# Altium PCB StartV3.PcbDoc
Units mil, origin at the board's own origin, x right, y up, seen from the top; angles counter-clockwise.
Board outline 3420 x 2265 mil, 2 copper layers (Top Layer, Bottom Layer); 42 components, 48 nets, 227 pads, 0 vias.
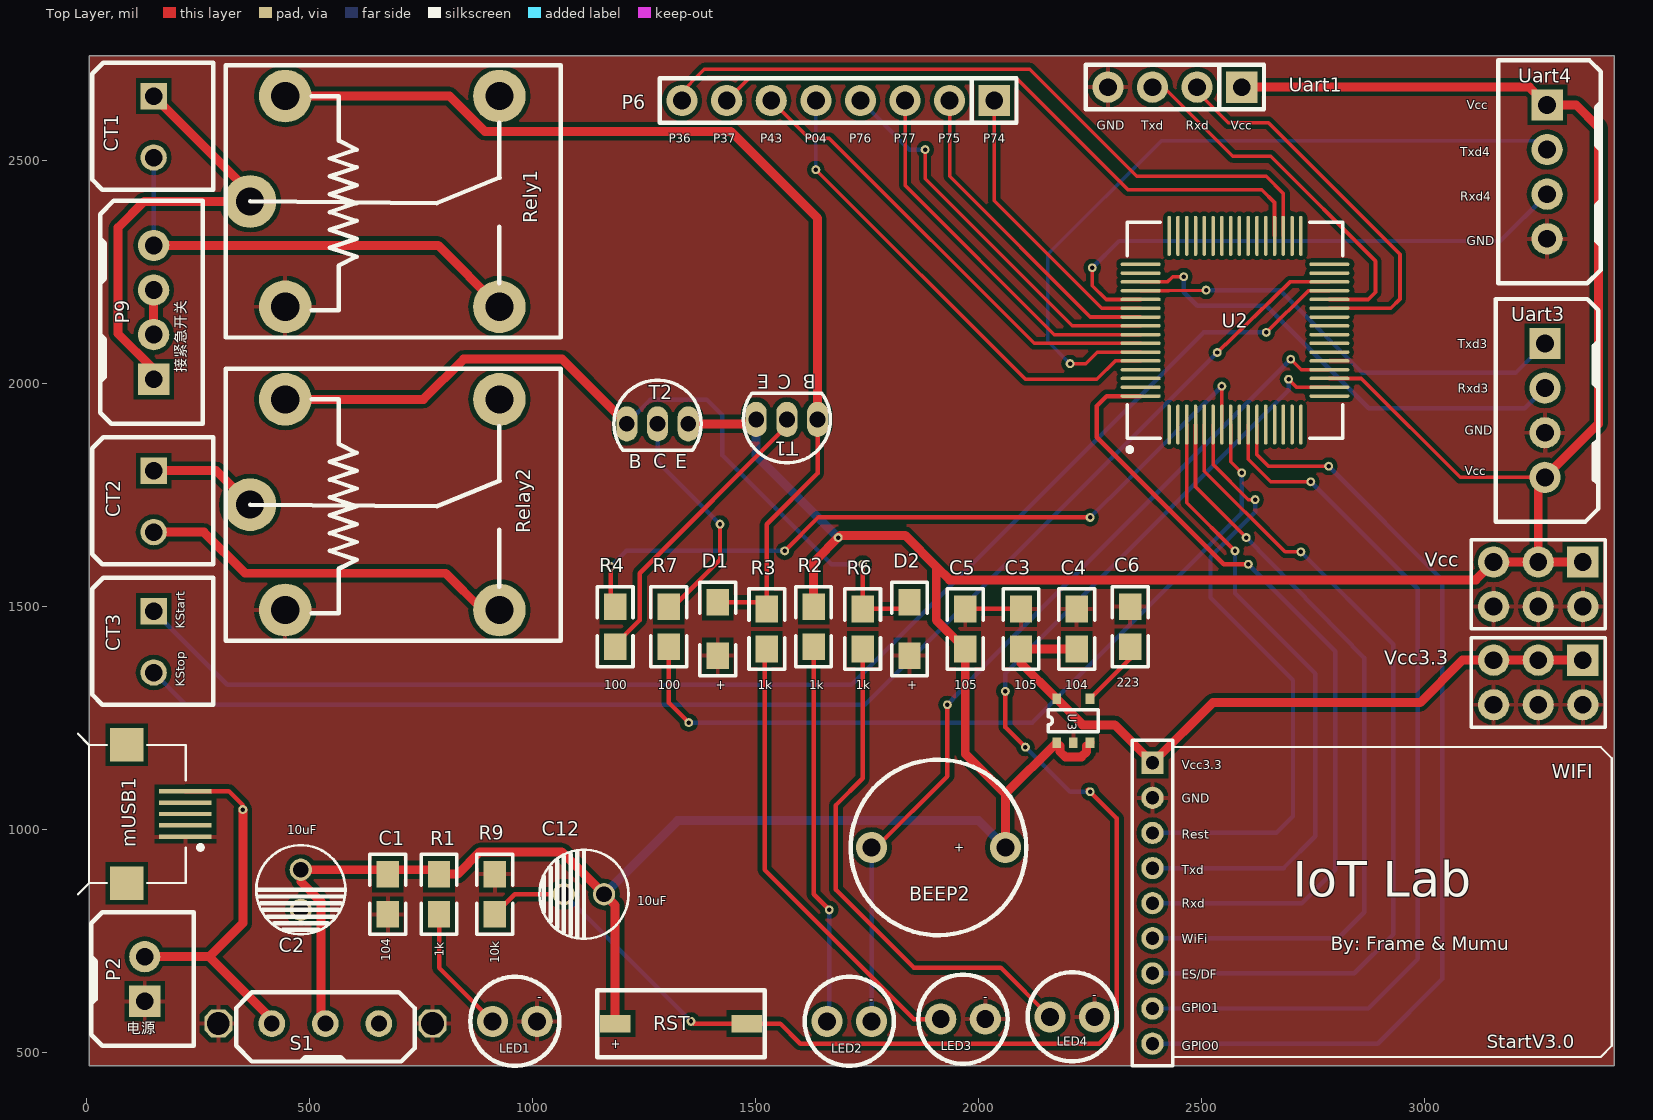
[diagram p0: Top Layer view]
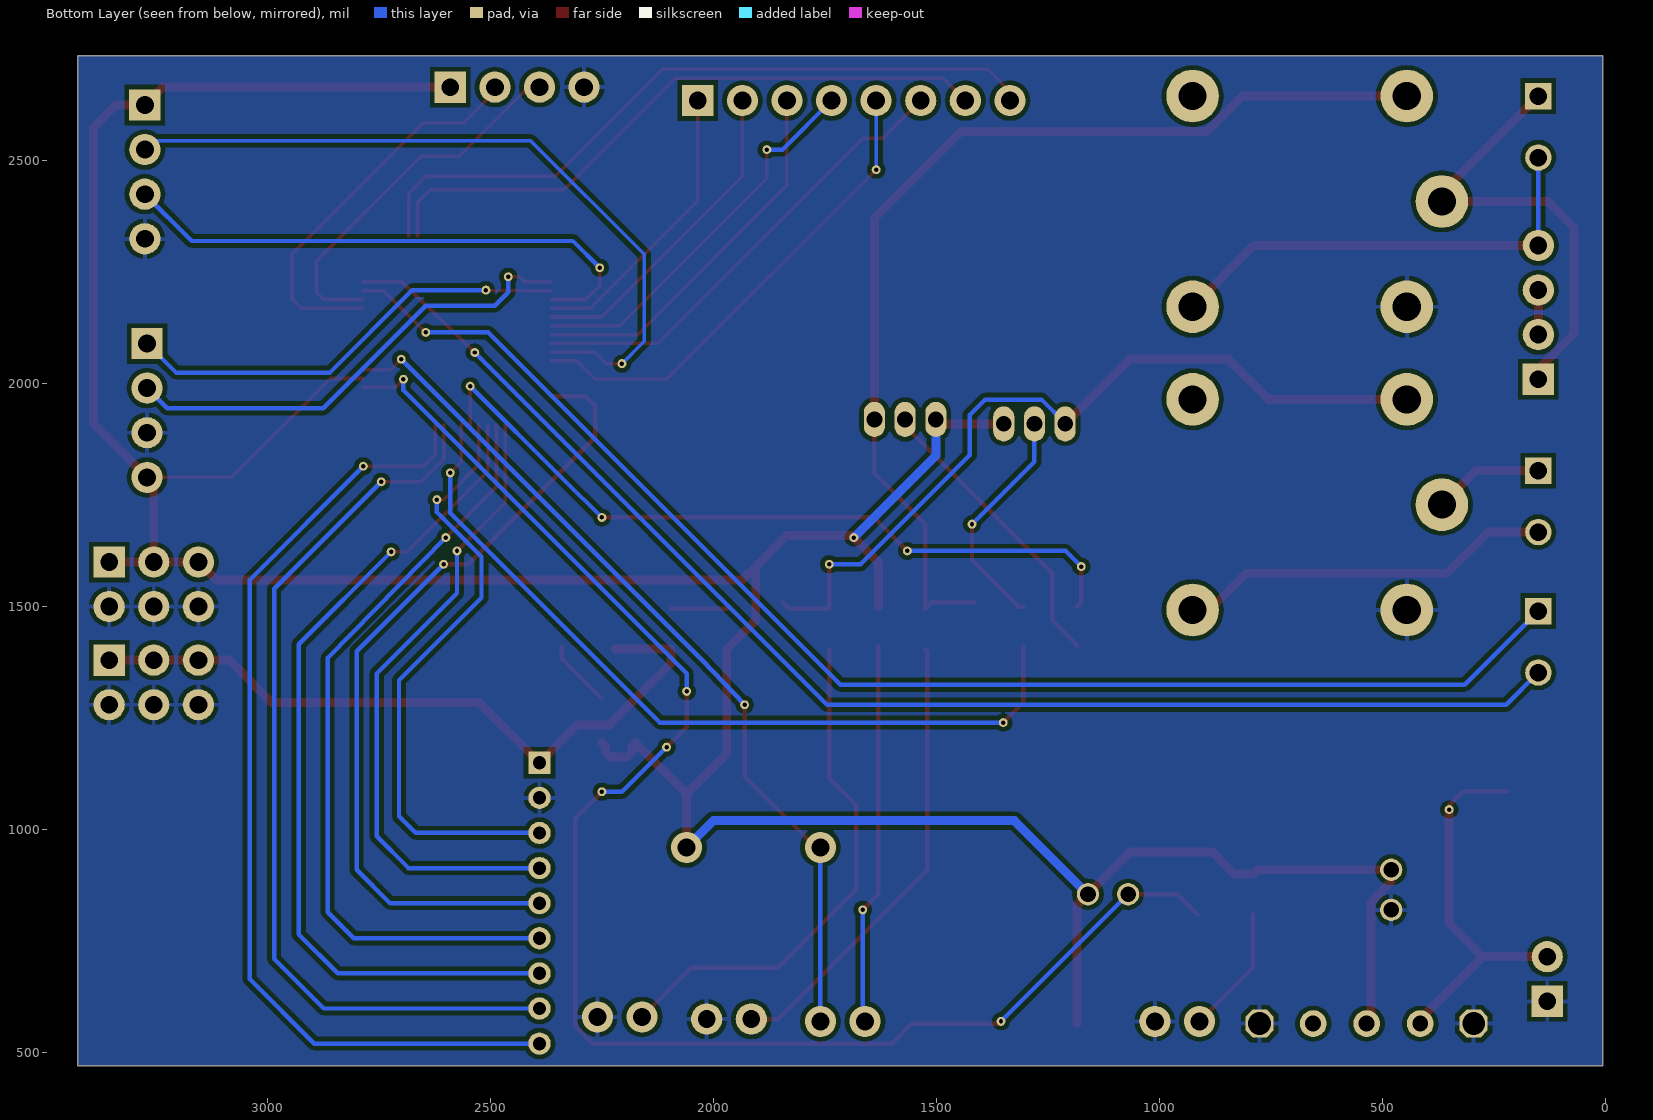
[diagram p1: Bottom Layer view, seen from below]

## Layer stack, top to bottom
Top Layer: signal copper 1.4
Dielectric: dielectric 12.6, FR-4, Dk 4.8
Bottom Layer: signal copper 1.4

## Board outline
5,470 3425,470 3425,2735 5,2735

## Design rules (kind name [scope] priority, off if disabled: settings)
Clearance [All] p1: gap=10
PolygonConnect [All] p1: connectstyle=Relief reliefconductorwidth=10 reliefentries=4 polygonreliefangle="90 Angle" airgapwidth=10
RoutingVias [All] p1: holewidth=28 width=50 viastyle="Through Hole" minholewidth=28 minwidth=50 maxholewidth=28 maxwidth=50
SolderMaskExpansion [All] p1: expansion=4
Width [All] p1: maxlimit=30 minlimit=6 preferedwidth=10
28 further rules are at their usual default settings.

## Components (designator, comment, footprint, x,y, rotation, side; value= is the part's Value field where it differs from the comment)
BEEP2 "BEEP" BEEP 2060,960 r180 top
C1 "104" CAP 675,810 r90 top
C2 "10uF" capc 480,910 r0 top
C3 "105" CAP 2095,1405 r90 top
C4 "104" CAP 2220,1405 r90 top
C5 "105" CAP 1970,1405 r90 top
C6 "223" CAP 2340,1410 r90 top
C12 "10uF" capc 1160,855 r270 top
CT1 "ConTerminal" ConTerminal 150,2645 r270 top
CT2 "ConTerminal" ConTerminal 150,1805 r270 top
CT3 "ConTerminal" ConTerminal 150,1490 r270 top
D1 "D4148" D4148_1206 1415,1390 r90 top
D2 "D4148" D4148_1206 1845,1390 r90 top
LED1 "LED_3mm" LED_3mm 910,570 r0 top
LED2 "LED_3mm" LED_3mm 1660,570 r0 top
LED3 "LED_3mm" LED_3mm 1915,575 r0 top
LED4 "LED_3mm" LED_3mm 2160,580 r0 top
mUSB1 "mUSB" mUSB 5,1035 r180 top
P2 "2P_Socket" 2P_Socket 130,715 r90 top
P6 "pin8" pin8 2035,2635 r180 top
P9 "继电器_复位端子" 4P_Socket 150,2310 r90 top
R1 "1k" res 790,900 r270 top
R2 "1k" res 1630,1500 r270 top
R3 "1k" res 1525,1405 r90 top
R4 "100" res 1185,1410 r90 top
R6 "1k" res 1740,1405 r90 top
R7 "100" res 1305,1500 r270 top
R9 "10k" res 915,900 r270 top
Relay2 "继电器-Stop" 继电器-SRD 445,1965 r0 top
Rely1 "继电器-Start" 继电器-SRD 445,2645 r0 top
RST "SW_PB" SW_PB 1145,640 r0 top
S1 "Horizontal_Switch" Horizontal_Switch 415,565 r0 top
T1 "8550" PNP 1570,1920 r90 top
T2 "8550" PNP 1280,1910 r270 top
U2 "STC8A8K64S4A12_LQFP64" STC8A8K64S4A12_LQFP64S 2575,2120 r90 top
U3 "RT9193-33" RT9193-33 2175,1195 r90 top
Uart1 "pin4" pin4 2440,2665 r180 top (schematic designator P1)
Uart3 "串口3" 4P_Socket 3270,1790 r270 top (schematic designator P3)
Uart4 "串口4" 4P_Socket 3275,2325 r270 top (schematic designator P4)
Vcc "Vcc5" pin6 3355,1600 r180 top (schematic designator P8)
Vcc3.3 "Vcc3.3" pin6 3355,1380 r180 top (schematic designator P7)
WIFI "WiFi排座" WiFi 2435,840 r270 top (schematic designator P5)

## Footprints (in the part's own frame and the unit in brackets; to place one, negate y for a bottom-side part, rotate by r counter-clockwise, add the part's x,y. Pads: shape width x height; smd on the part's side, far side on the other; paste and mask are expansions set on the pad)
2P_Socket [mil]
  rect 70x70 hole 40: 1(-100,0)
  round 70 hole 40: 2(0,0)
  silkscreen extent -200,-110 100,120
4P_Socket [mil]
  rect 70x70 hole 40: 1(-300,0)
  round 70 hole 40: 2(-200,0) 3(-100,0) 4(0,0)
  silkscreen extent -400,-110 100,120
BEEP [mil]
  round 70 hole 40: 1(0,0) 2(300,0)
  silkscreen extent -47,-197 347,197
CAP [mil]
  rect 60x50 smd: 1(0,0) 2(90,0)
  silkscreen extent -45,-40 135,40
capc [mil]
  round 50 hole 35: 1(0,0) 2(0,-90)
  silkscreen extent -100,-145 100,55
ConTerminal [mm]
  rect 1.5x1.5 hole 1: 1(0,0)
  round 1.5 hole 1: 2(3.5,0)
  silkscreen extent -1.91,-3.5 5.33,3.4
D4148_1206 [mil]
  rect 60x50 smd: 1(0,0) 2(120,0)
  silkscreen extent -45,-40 165,40
Horizontal_Switch [mil]
  round 60 hole 35.43: 1(0,0) 2(120,0) 3(240,0)
  oct 62.99x62.99 hole 51.18: 4(-120,0) 5(360,0)
  silkscreen extent -80,-85 320,70
LED_3mm [mil]
  round 70 hole 40: 1(0,0) 2(100,0)
  silkscreen extent -50,-100 150,100
mUSB [mm]
  rect 3x0.25 smd: D+(-5.486,0) D-(-5.486,-0.65) GND(-5.486,1.3) ID(-5.486,0.65) VCC(-5.486,-1.3)
  rect 1.9x1.9 smd: ""(-2.15,3.95) ""(-2.15,-3.95)
  silkscreen extent -6.47,-4.57 0.63,4.57
pin4 [mil]
  rect 70x70 hole 40: 1(-150,0)
  round 70 hole 40: 2(-50,0) 3(50,0) 4(150,0)
  silkscreen extent -200,-50 200,50
pin6 [mil]
  rect 70x70 hole 40: 1(0,0)
  round 70 hole 40: 2(0,100) 3(100,0) 4(100,100) 5(200,0) 6(200,100)
  silkscreen extent -50,-50 250,150
pin8 [mil]
  rect 70x70 hole 40: 1(0,0)
  round 70 hole 40: 2(100,0) 3(200,0) 4(300,0) 5(400,0) 6(500,0) 7(600,0) 8(700,0)
  silkscreen extent -50,-50 750,50
PNP [mm]
  oval 2x1.2 hole 0.9: 1(0,1.75) 2(0,0) 3(0,-1.75)
  silkscreen extent -2.48,-2.48 1.5,2.48, body extent -2.5,-2.5 1.5,2.5, height 7
res [mil]
  rect 60x50 smd: 1(0,0) 2(90,0)
  silkscreen extent -45,-40 135,40
RT9193-33 [mm]
  rect 0.6x0.5 smd: 1(0,0) 2(0,-0.95) 3(0,-1.9) 4(2.5,-1.9) 5(2.5,0)
  silkscreen extent 0.63,-2.38 1.87,0.48
STC8A8K64S4A12_LQFP64S [mm] "STC8A8K64S4A12_LQFP64S"
  oval 2.286x0.2 smd: 1(-5.375,3.75) 2(-5.375,3.25) 3(-5.375,2.75) 4(-5.375,2.25) 5(-5.375,1.75) 6(-5.375,1.25) 7(-5.375,0.75) 8(-5.375,0.25) 9(-5.375,-0.25) 10(-5.375,-0.75) 11(-5.375,-1.25) 12(-5.375,-1.75) 13(-5.375,-2.25) 14(-5.375,-2.75) 15(-5.375,-3.25) 16(-5.375,-3.75) 33(5.375,-3.75) 34(5.375,-3.25) 35(5.375,-2.75) 36(5.375,-2.25) 37(5.375,-1.75) 38(5.375,-1.25) 39(5.375,-0.75) 40(5.375,-0.25) 41(5.375,0.25) 42(5.375,0.75) 43(5.375,1.25) 44(5.375,1.75) 45(5.375,2.25) 46(5.375,2.75) 47(5.375,3.25) 48(5.375,3.75)
  oval 0.2x2.286 smd: 17(-3.75,-5.375) 18(-3.25,-5.375) 19(-2.75,-5.375) 20(-2.25,-5.375) 21(-1.75,-5.375) 22(-1.25,-5.375) 23(-0.75,-5.375) 24(-0.25,-5.375) 25(0.25,-5.375) 26(0.75,-5.375) 27(1.25,-5.375) 28(1.75,-5.375) 29(2.25,-5.375) 30(2.75,-5.375) 31(3.25,-5.375) 32(3.75,-5.375) 49(3.75,5.375) 50(3.25,5.375) 51(2.75,5.375) 52(2.25,5.375) 53(1.75,5.375) 54(1.25,5.375) 55(0.75,5.375) 56(0.25,5.375) 57(-0.25,5.375) 58(-0.75,5.375) 59(-1.25,5.375) 60(-1.75,5.375) 61(-2.25,5.375) 62(-2.75,5.375) 63(-3.25,5.375) 64(-3.75,5.375)
  silkscreen extent -6.92,-6.15 6.15,6.15, body extent -6,-6 6,6, height 1.6
SW_PB [mm]
  rect 1.75x1 smd: 1(1.016,-1.905) 2(8.509,-1.905)
  silkscreen extent 0,-3.81 9.53,0
WiFi [mil]
  rect 50x50 hole 30: 1(-310,-45)
  round 50 hole 30: 2(-231.26,-45) 3(-152.52,-45) 4(-73.78,-45) 5(4.96,-45) 6(83.7,-45) 7(162.44,-45) 8(241.18,-45) 9(319.92,-45)
  silkscreen extent -360,-90 370,985
继电器-SRD [mm]
  round 3 hole 1.6: 1(0,0) 2(0,-12) 3(-2,-6) 4(12.2,0) 5(12.2,-12)
  silkscreen extent -3.4,-13.75 15.7,1.75

## Part data
C1 C3 C4 C5 C6: library part CAP
C2 C12: library part CAPC
D1 D2: library part D4148_1206
P9 Uart3 Uart4: library part 4P_Socket
R1 R2 R3 R4 R6 R7 R9: library part RES
Relay2 Rely1: library part 继电器-SRD
T1 T2: library part PNP
Vcc Vcc3.3: library part pin6
WIFI: library part WiFi

## Free pads (board coordinates)
  round 20 hole 10: 0(350,1045) 1(2785,1815) 2(2745,1780) 3(2620,1740) 5(2600,1655) 6(2575,1625) 7(2722.79,1622.79) 9(2605,1595) 11(2510,2209.92) 12(2460,2240) 13(1880,2525) 14(1635,2480) 15(2255,2260) 16(2205,2045) 17(2535,2070) 18(2645,2115) 19(2590,1800) 20(2545.47,1994.53) 21(1350,1240) 22(2250,1700) 23(1565,1625) 24(1175,1590) 26(2700,2055) 27(2695,2010) 28(1930,1280) 29(2060,1310) 30(2250,1085) 31(2105,1185) 32(1685,1655) 33(1740,1595) 34(1420,1685) 36(1665,820) 37(1355,570)

## Nets (pads, with @x,y where several pads share a name; then routed paths per layer and width w, separated by ;. In a path a pad name is that pad's centre, name@x,y a point inside that pad or via, vN(x,y) a via of type N, cw(c..) or ccw(c..) an arc to the next point about the centre after c; other vN are vias at no path point)
ES/DF: pad.7 U2.5 WIFI.7 | length 1916
  Top Layer w8: U2.5 2506.1,1803.9 2687.21,1622.79 pad.7
  Bottom Layer w10: WIFI.7 2842.56,677.56 2930,765 2930,1415.58 pad.7
GND: C1.1 C2.2 C3.2 C4.2 C5.2 C6.2 D1.1 D2.1 LED1.2 LED3.2 LED4.2 mUSB1.GND P2.1 R9.1 Relay2.2 Rely1.2 S1.4 S1.5 U2.21 U3.2 Uart1.4 Uart3.3 Uart4.4 Vcc3.3.2 Vcc3.3.4 Vcc3.3.6 Vcc.2 Vcc.4 Vcc.6 WIFI.2 | length 125
  Top Layer w10: C5.2 C3.2
GPIO0: pad.1 U2.11 WIFI.9 | length 2204.7
  Top Layer w8: U2.11 2624.21,1840.79 2650,1815 pad.1
  Bottom Layer w10: WIFI.9 2895.08,520.08 3040,665 3040,1560 pad.1
GPIO1: pad.2 U2.10 WIFI.8 | length 2049.8
  Top Layer w8: U2.10 2604.53,1830.47 2655,1780 pad.2
  Bottom Layer w10: WIFI.8 2873.82,598.82 2985,710 2985,1540 pad.2
HRST: C12.2 pad.27 pad.29 pad.30 pad.31 pad.37 R9.2 RST.2 U2.18 | length 3518.4
  Top Layer w8: pad.27 2712.95,1992.05 U2.18
  Top Layer w10: R9.2 960,855 C12.2 ; pad.37 1360,565 RST.2 1555,565 1600,520 2270.71,520 2310,559.29 2310,1025 pad.30 pad.30@2245,1090 ; pad.29 2060,1230 pad.31
  Bottom Layer w10: C12.2 pad.37 ; pad.29 2060,1350 2695,1985 pad.27 ; pad.31 2205,1085 pad.30
KEY_START: CT3.1 pad.18 U2.29 | length 3070.6
  Top Layer w8: pad.18 2739.87,2208.58 U2.29
  Bottom Layer w10: CT3.1 315,1325 1715,1325 2505,2115 pad.18
KEY_STOP: CT3.2 pad.17 U2.30 | length 3057.9
  Top Layer w8: pad.17 2698.27,2228.27 U2.30
  Bottom Layer w10: CT3.2 222.2,1280 1745,1280 pad.17
NetC6_1: C6.1 U3.4 | length 153.9
  Top Layer w10: U3.4 2340,1383.62 C6.1
NetCT1_1: CT1.1 P9.1 Rely1.3 | length 1019.5
  Top Layer w20: P9.1 150,2032.22 70,2112.22 70,2350 128.78,2408.78 Rely1.3 366.26,2428.74 CT1.1
NetCT1_2: CT1.2 P9.4 Rely1.5 | length 1029.4
  Top Layer w20: P9.4 787.87,2310 Rely1.5
  Bottom Layer w10: P9.4 CT1.2
NetCT2_1: CT2.1 Relay2.3 | length 247.8
  Top Layer w20: CT2.1 290.04,1805 Relay2.3
NetCT2_2: CT2.2 Relay2.5 | length 847.7
  Top Layer w20: CT2.2 262.8,1667.2 355,1575 805,1575 887.44,1492.56 Relay2.5
NetD1_2: D1.2 R3.2 Rely1.1 T1.3 | length 2346.8
  Top Layer w10: D1.2 1510,1510 R3.2 1525,1685 1638.9,1798.9 T1.3
  Top Layer w20: Rely1.1 813.51,2645 892.57,2565.94 1444.06,2565.94 1638.9,2371.1 T1.3
NetD2_2: D2.2 pad.33 R6.2 Relay2.1 T2.3 | length 1832.7
  Top Layer w10: pad.33 R6.2 1830,1495 D2.2
  Top Layer w20: Relay2.1 755,1965 845,2055 1066.1,2055 T2.3
  Bottom Layer w10: T2.3 1211.1,1911.47 1264,1964.37 1390.63,1964.37 1425,1930 1425,1840 1670,1595 pad.33
NetLED1_1: LED1.1 R1.2 | length 289.7
  Top Layer w10: R1.2 790,690 LED1.1
NetLED2_1: LED2.1 pad.36 R2.2 | length 856.6
  Top Layer w10: R2.2 1630,855 pad.36
  Bottom Layer w10: LED2.1 1665,575 pad.36
NetLED3_1: LED3.1 R3.1 | length 1030.8
  Top Layer w10: R3.1 1520,1400 1520,910 1855,575 LED3.1
NetLED4_1: LED4.1 R6.1 | length 1162.9
  Top Layer w10: R6.1 1740,1115 1680,1055 1680,865 1855,690 2050,690 LED4.1
NetmUSB1_VCC: mUSB1.VCC P2.2 pad.0 S1.1 | length 866
  Top Layer w10: mUSB1.VCC 318.82,1086.18 350,1055 pad.0
  Top Layer w20: P2.2 275,715 ; pad.0 350,790 275,715 ; S1.1 415,575 275,715
NetP9_2: P9.2 P9.3 | length 100
  Top Layer w20: P9.2 P9.3
NetR4_1: R4.1 T1.2 | length 669.5
  Top Layer w10: R4.1 1185,1415 1240,1470 1240,1575 1570,1905 T1.2
NetR7_1: pad.34 R7.1 T2.2 | length 521.5
  Top Layer w10: R7.1 1315,1500 1420,1605 pad.34
  Bottom Layer w10: T2.2 1280,1825 pad.34
P04: P6.5 pad.14 U2.60 | length 1095.1
  Top Layer w8: pad.14 2105,2010 2265,2010 2306.1,2051.1 U2.60
  Bottom Layer w8: pad.14 P6.5
P36: P6.8 U2.35 | length 1593.5
  Top Layer w8: P6.8@1325,2645 1385,2705 2115,2705 2355,2465 2645,2465 2683.27,2426.73 U2.35
P37: P6.7 U2.36 | length 1470.2
  Top Layer w8: P6.7@1465.7,2635 P6.7 1485,2685 2085,2685 2335,2435 2635,2435 2663.58,2406.42 U2.36
P43: P6.6 U2.58 | length 1053.9
  Top Layer w8: P6.6 1620,2550 1665,2550 2124.53,2090.47 U2.58
P74: P6.1 U2.54 | length 653.1
  Top Layer w8: P6.1 2035,2410 2275.79,2169.21 U2.54
P75: P6.2 U2.55 | length 729.1
  Top Layer w8: P6.2 1935,2465 2250.47,2149.53 U2.55
P76: P6.4 pad.13 U2.56 | length 875.7
  Top Layer w8: pad.13 1880,2460 2210.16,2129.84 U2.56
  Bottom Layer w10: P6.4 1845,2525 pad.13
P77: P6.3 U2.57 | length 857.1
  Top Layer w8: P6.3 1835,2445 2169.84,2110.16 U2.57
RESET: pad.3 U2.6 WIFI.3 | length 1374.8
  Top Layer w8: U2.6 2525.79,1819.21 2605,1740 pad.3
  Bottom Layer w10: WIFI.3 2667.52,992.52 2705,1030 2705,1335 2520,1520 2520,1611.72 2620,1711.72 pad.3
RXD: U2.27 Uart1.2 | length 883.2
  Top Layer w8: Uart1.2 2490,2655 2560,2585 2650,2585 2945,2290 2945,2190 2924.21,2169.21 U2.27
RXD2: pad.9 U2.64 WIFI.5 | length 1842.5
  Top Layer w10: U2.64 2287.36,1972.36 2265,1950 2265,1880 2550,1595 pad.9
  Bottom Layer w10: WIFI.5 2725.04,835.04 2800,910 2800,1400 pad.9
RXD3: pad.12 U2.51 Uart3.2 | length 1072.8
  Top Layer w8: U2.51 2423.27,2228.27 2435,2240 pad.12
  Bottom Layer w10: pad.12 2460,2205 2490,2175 2645,2175 2875,1945 3225,1945 Uart3.2
RXD4: pad.15 U2.53 Uart4.3 | length 1249.6
  Top Layer w8: pad.15 2255,2220 2286.1,2188.9 U2.53
  Bottom Layer w10: pad.15 2315,2320 3170,2320 Uart4.3
SCK: U2.12
SET1: U2.63
SET2: U2.50
START: pad.20 pad.22 pad.23 pad.24 R4.2 U2.7 | length 1718
  Top Layer w8: U2.7 pad.20
  Top Layer w10: pad.24 1175,1510 R4.2 ; pad.23 1640,1700 pad.22
  Bottom Layer w10: pad.24 1210,1625 pad.23 ; pad.22 2335,1784.06 pad.20
STATUS: BEEP2.2 LED2.2 pad.26 pad.28 U2.20 | length 1975.2
  Top Layer w8: pad.26 2723.58,2031.42 U2.20
  Top Layer w10: BEEP2.2 1770,960 1930,1120 pad.28
  Bottom Layer w10: LED2.2 BEEP2.2 ; pad.28 2025,1380 pad.26
STOP: pad.19 pad.21 R7.2 U2.8 | length 1832
  Top Layer w8: U2.8 2565.16,1824.84 pad.19
  Top Layer w10: R7.2 1305,1285 pad.21
  Bottom Layer w10: pad.21 2120,1240 2590,1710 pad.19
TXD: U2.28 Uart1.3 | length 841.6
  Top Layer w8: Uart1.3 2415,2665 2570,2510 2655,2510 2890,2275 2890,2205 2873.9,2188.9 U2.28
TXD2: pad.6 U2.3 WIFI.4 | length 1437.3
  Top Layer w8: U2.3 2466.73,1733.27 pad.6
  Bottom Layer w10: WIFI.4 2683.78,913.78 2755,985 2755,1350 2575,1530 pad.6
TXD3: pad.11 U2.52 Uart3.1 | length 1010.2
  Top Layer w8: U2.52 2426.42,2208.58 pad.11
  Bottom Layer w10: pad.11 2675,2210 2860,2025 3205,2025 Uart3.1
TXD4: pad.16 U2.59 Uart4.2 | length 1668.7
  Top Layer w8: pad.16 2240,2045 2265.79,2070.79 U2.59
  Bottom Layer w8: pad.16 2155,2095 2155,2290 2410,2545 3255,2545 Uart4.2
VCC: BEEP2.1 C1.2 C2.1 C5.1 C12.1 pad.32 R1.1 R2.1 RST.1 S1.2 T1.1 T2.1 U2.19 U3.1 U3.3 Uart1.1 Uart3.4 Uart4.1 Vcc.1 Vcc.3 Vcc.5 | length 8227
  Top Layer w8: U2.19 2858.27,2011.73 3080,1790 Uart3.4
  Top Layer w20: S1.2 525,575 525,838.64 480,883.64 C2.1 780,910 R1.1 831.72,900 881.72,950 1065,950 C12.1 1185,830 RST.1 ; T2.1 1491.1,1910 T1.1 ; R2.1 1630,1600 1690,1660 1835,1660 1905,1590 ; BEEP2.1 2060,1080 ; U3.3 2242.24,1187.44 2242.24,1174.9 2230.53,1163.19 2194.28,1163.19 2182.56,1174.9 2182.56,1187.44 U3.1 2060,1080 ; Uart1.1 3235,2665 Uart4.1 3340,2625 3390,2575 3390,1910 Uart3.4 3255,1775 Vcc.3 ; Vcc.1 Vcc.3 ; 1905,1590 1935,1560 3115,1560 Vcc.5 Vcc.3 ; 1905,1590 1905,1470 C5.1 1970,1170 2060,1080
  Bottom Layer w20: C12.1 1325,1020 2000,1020 BEEP2.1 ; T1.1 1501.1,1838.9 pad.32
VCC33: C3.1 C4.1 U3.5 Vcc3.3.1 Vcc3.3.3 Vcc3.3.5 WIFI.1 | length 1604.4
  Top Layer w20: C4.1 C3.1 2095,1373.43 U3.5 2233.43,1235 2305,1235 WIFI.1 2525,1285 2990,1285 3085,1380 Vcc3.3.5 Vcc3.3.3 Vcc3.3.1
WIFI: pad.5 U2.4 WIFI.6 | length 1748.1
  Top Layer w8: U2.4 2486.42,1768.58 pad.5
  Bottom Layer w10: WIFI.6 2806.3,756.3 2865,815 2865,1385 pad.5
pads on no net: mUSB1. mUSB1.D+ mUSB1.D- mUSB1.ID Relay2.4 Rely1.4 S1.3 U2.1 U2.2 U2.9 U2.13 U2.14 U2.15 U2.16 U2.17 U2.22 U2.23 U2.24 U2.25 U2.26 U2.31 U2.32 U2.33 U2.34 U2.37 U2.38 U2.39 U2.40 U2.41 U2.42 U2.43 U2.44 U2.45 U2.46 U2.47 U2.48 U2.49 U2.61 U2.62

## Polygon pours and split planes (outlines as drawn)
GND on Top Layer "Top Layer-No Net" (solid, pour order 7): 5,2735 5,470 3425,470 3425,2730 3420,2735
GND on Bottom Layer "Top Layer-No Net" (solid, pour order 11): 5,2735 5,470 3425,470 3425,2735

## Silkscreen, mask and mechanical layers (free items; w line width, h text height)
Top Overlay:
  text "Vcc" at 3095,2615.01 h20
  text "GND" at 2265,2570.01 h20
  text "Txd" at 2365,2570.01 h20
  text "Rxd" at 2465,2570.01 h20
  text "Vcc" at 2565,2570.01 h20
  text "P36" at 1305,2540.01 h20
  text "P37" at 1405,2540.01 h20
  text "P43" at 1510,2540.01 h20
  text "P04" at 1610,2540.01 h20
  text "P76" at 1710,2540.01 h20
  text "P77" at 1810,2540.01 h20
  text "P75" at 1910,2540 h20
  text "P74" at 2010,2540 h20
  text "Txd4" at 3080,2510 h20
  text "Rxd4" at 3080,2410 h20
  text "GND" at 3095,2310.01 h20
  text "Txd3" at 3075,2080 h20
  text "接紧急开关" at 230,2025 h40 r90
  text "Rxd3" at 3075,1980 h20
  text "GND" at 3090,1885.01 h20
  text "Vcc" at 3090,1795.01 h20
  text "KStart" at 220,1450 h20 r90
  text "KStop" at 220,1320 h20 r90
  text "223" at 2310,1320 h20
  text "100" at 1160,1315 h20
  text "100" at 1280,1315 h20
  text "+" at 1410,1315 h20
  text "1k" at 1505,1315 h20
  text "1k" at 1620,1315 h20
  text "1k" at 1725,1315 h20
  text "+" at 1840,1315 h20
  text "105" at 1945,1315 h20
  text "105" at 2080,1315 h20
  text "104" at 2194.84,1315.24 h20
  text "Vcc3.3" at 2455,1135.01 h20
  text "GND" at 2455,1060.01 h20
  text "10uF" at 450,990 h20
  text "Rest" at 2455,980.01 h20
  text "+" at 1945,950 h20
  text "Txd" at 2455,900.01 h20
  text "IoT Lab" at 2705,850 h80
  text "10uF" at 1235,830 h20
  text "Rxd" at 2455,825.01 h20
  text "WiFi" at 2455,745.01 h20
  text "By: Frame & Mumu" at 2790,730 h30
  text "1k" at 800,715 h20 r90
  text "104" at 680,705 h20 r90
  text "10k" at 925,700 h20 r90
  text "ES/DF" at 2455,665.01 h20
  text "-" at 2255,620 h20
  text "-" at 1010,615 h20
  text "-" at 2010,615 h20
  text "-" at 1755,610 h20
  text "GPIO1" at 2455,590 h20
  text "电源" at 90,535 h40
  text "+" at 1175,510 h20
  text "StartV3.0" at 3140,510 h30
  text "GPIO0" at 2455,505.01 h20
Mechanical 1:
  the board outline again, w10

## Text inside footprints (layer, text, board x,y; h text height)
T1: Top Overlay "E" at 1530,2020 h31.5 r180; Top Overlay "C" at 1580,2020 h31.5 r180; Top Overlay "B" at 1635,2020 h31.5 r180
T2: Top Overlay "E" at 1320,1810 h31.5; Top Overlay "C" at 1270,1810 h31.5; Top Overlay "B" at 1215,1810 h31.5